# Altium PCB KeyBoard.PcbDoc (continued)
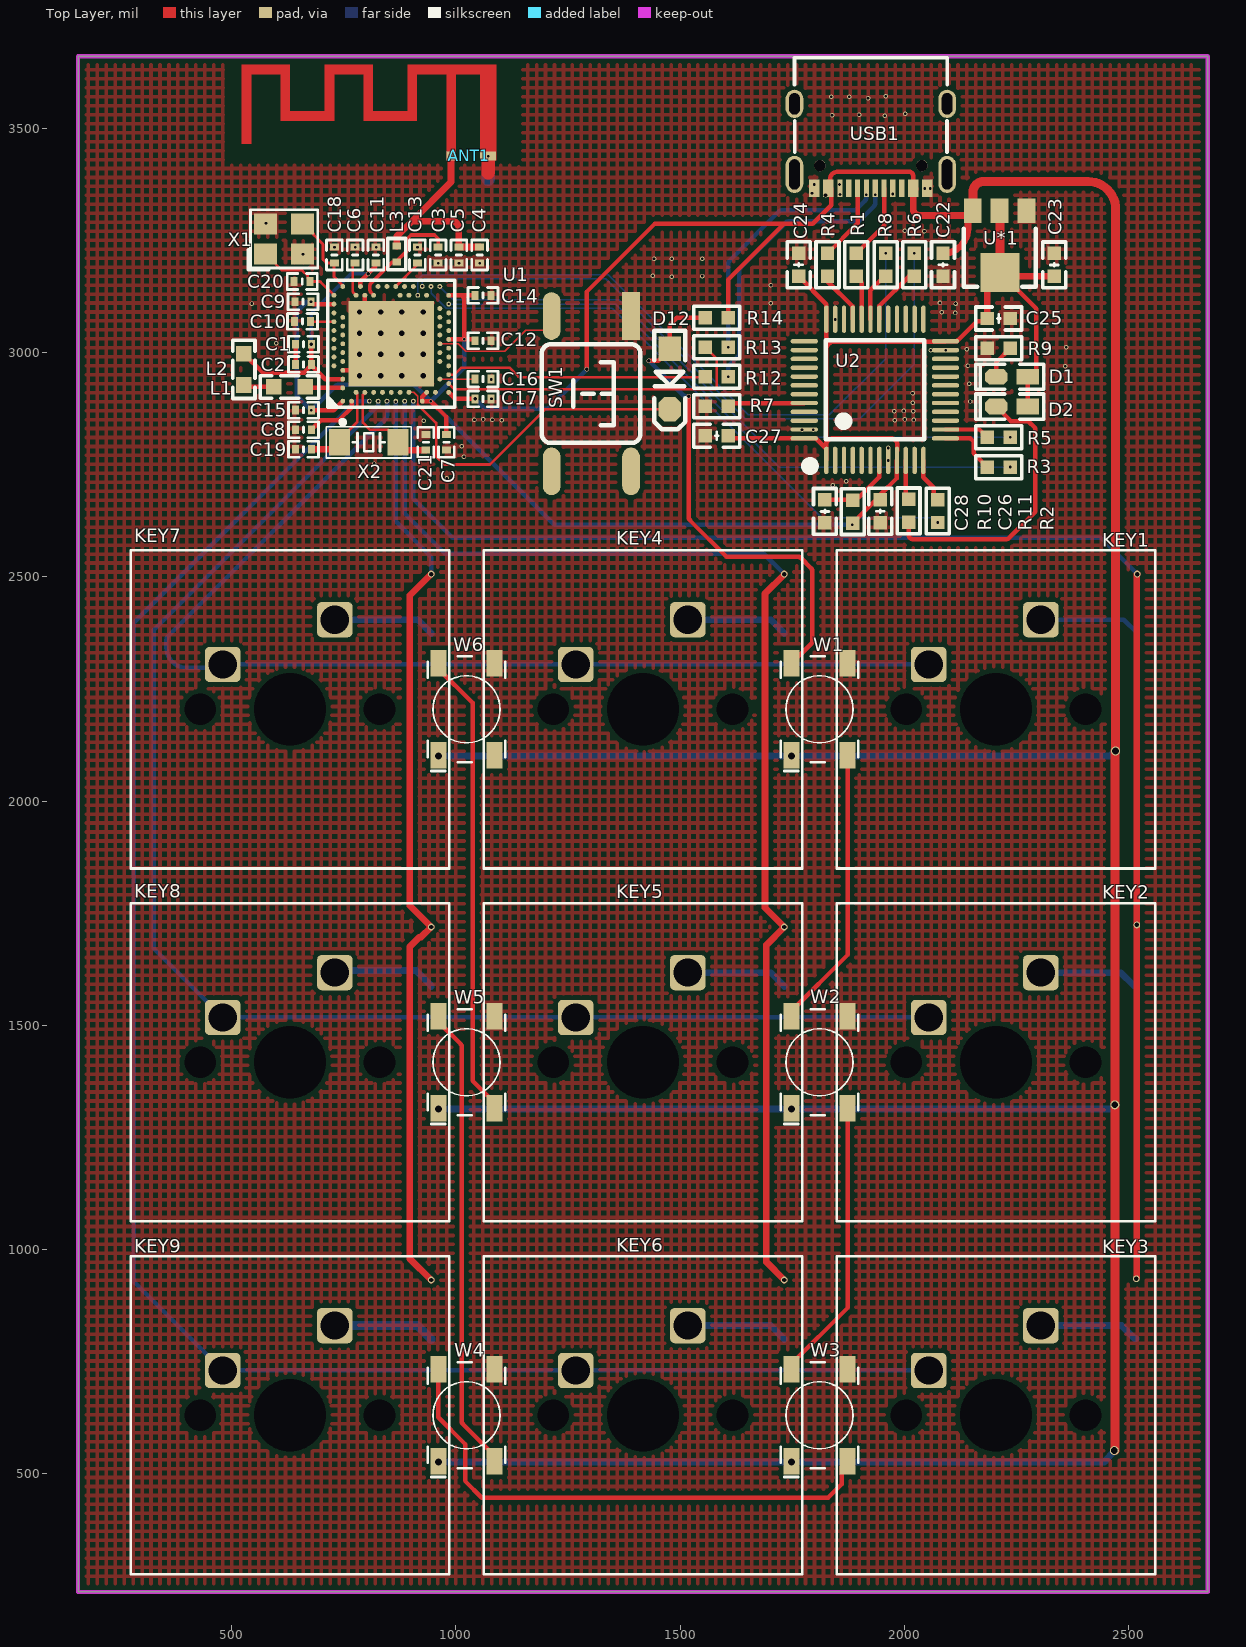
[diagram p0: Top Layer view]
## Footprints (in the part's own frame and the unit in brackets; to place one, negate y for a bottom-side part, rotate by r counter-clockwise, add the part's x,y. Pads: shape width x height; smd on the part's side, far side on the other; paste and mask are expansions set on the pad) (continued)
  silkscreen extent -2.79,-2.79 2.79,2.79, body extent -4.5,-3 4.5,3, height 4.95
"usb typec" [mm]
  round 0.65 hole 0.65: 0(-2.299,-2.905) 0(-2.299,2.875)
  oval 1.6x1 hole 0.6 slot 1.2 at 0 deg: 1(1.201,4.31) 2(1.201,-4.34)
  oval 2.1x1 hole 0.6 slot 1.7 at 0 deg: 3(-2.799,-4.34) 4(-2.799,4.31)
  rect 1x0.3 smd: A1(-3.589,-3.365) A4(-3.589,-2.565) A5(-3.589,-1.265) A6(-3.589,-0.265) A7(-3.589,0.235) A8(-3.589,1.235) A9(-3.589,2.535) A12(-3.589,3.335) B1(-3.589,3.035) B4(-3.589,2.235) B5(-3.589,1.735) B6(-3.589,0.735) B7(-3.589,-0.765) B8(-3.589,-1.765) B9(-3.589,-2.265) B12(-3.589,-3.065)
  silkscreen extent -1.54,-4.34 3.8,4.31

## Part data
C1 C7: library part C0603-1µ0, "Capacitor, X7R, ±10%", Footprint Doc=0603, LatestRevisionDate=2013-06-05, Note=16V, Part Number=C0603-1µ0, Pin Count=2, Published=2009-05-08, Publisher="Nordic Semiconductor"
C2: library part C0402-47n, "Capacitor, X7R, ±10%", Footprint Doc=0402, LatestRevisionDate=2009-05-08, Note="Chip Cap 10%", Part Number=C0402-47n, Pin Count=2, Published=2009-05-08, Publisher="Nordic Semiconductor"
C3: library part C0402-0.8p, "Capacitor, NP0, ±10%", Footprint Doc=0402, LatestRevisionDate=2012-11-21, Note=50V, Part Number=C0402-0.8p, Pin Count=2, Published=2009-05-08, Publisher="Nordic Semiconductor"
C4: library part C0402-0.5p, "Capacitor, NP0, ±10%", Footprint Doc=0402, LatestRevisionDate=2017-02-23, Note=50V, Part Number=C0402-0.5p, Pin Count=2, Published=2009-05-08, Publisher="Nordic Semiconductor"
C5 C10 C11: library part C0402-N.C., "Not mounted", Assembly="Not mounted", Footprint Doc=0402, LatestRevisionDate=2009-05-08, Part Number=C0402-N.C., Pin Count=2, Published=2009-05-08, Publisher="Nordic Semiconductor"
  C5: Note="Chip Cap"
C6: library part C0402-100p, "Capacitor, NP0, ±5%", Footprint Doc=0402, LatestRevisionDate=2009-05-08, Note=50V, Part Number=C0402-100p, Pin Count=2, Published=2009-05-08, Publisher="Nordic Semiconductor"
C8 C9 C12 C14: library part C0402-100n, "Capacitor, X7R, ±10%", Footprint Doc=0402, LatestRevisionDate=2009-11-23, Note=16V, Part Number=C0402-100n, Pin Count=2, Published=2009-05-08, Publisher="Nordic Semiconductor"
C13: library part C0402-820p, "Capacitor, NP0, ±5%", Footprint Doc=0402, LatestRevisionDate=2009-05-08, Note=50V, Part Number=C0402-820p, Pin Count=2, Published=2009-05-08, Publisher="Nordic Semiconductor"
C15 C16: library part C0603-4µ7-6.3V-X7R, "Capacitor, X7R, ±10%", Footprint Doc=0603, LatestRevisionDate=2015-06-10, Note=6.3V, Part Number=C0603-4µ7-6.3V-X7R, Pin Count=2, Published=2015-06-10, Publisher="Nordic Semiconductor"
C17: library part C0603-4µ7-10V-X7S, "Capacitor, X7S, ±10%", Footprint Doc=0603, LatestRevisionDate=2016-08-15, Note=10V, Part Number=C0603-4µ7-10V-X7S, Pin Count=2, Published=2016-08-15, Publisher="Nordic Semiconductor"
C18 C19 C20 C21: library part C0402-12p, "Capacitor, NP0, ±2%", Footprint Doc=0402, LatestRevisionDate=2011-05-11, Note=50V, Part Number=C0402-12p, Pin Count=2, Published=2009-05-08, Publisher="Nordic Semiconductor"
C22 C23 C24 C25 C26 C27 C28: "Capacitor, NP0, ?.1pF", Part Number=C0402-1.2p, Artikkelnr Noca=20029157, Artikkelnr Simpro=N.A., Footprint Doc=0402, LatestRevisionDate=2011-05-11, Note=50V, Pin Count=2, Published=2009-05-08, Publisher="Nordic Semiconductor"
D1 D2: "LED"
D3 D4 D5 D6 D7 D8 D9 D10 D11 D12: library part ZENER3, "Zener Diode"
L1: library part L0603-10µ, "Chip inductor, IDC,min = 50 mA, ±20%", Footprint Doc=0603, LatestRevisionDate=2012-09-19, Part Number=L0603-10µ, Pin Count=2, Published=2010-02-24, Publisher="Nordic Semiconductor"
L2: library part L0402-15n, "High frequency chip inductor ±10%", Footprint Doc=0402, LatestRevisionDate=2012-09-19, Part Number=L0402-15n, Pin Count=2, Published=2010-07-12, Publisher="Nordic Semiconductor"
L3: library part L0402-4n7, "High frequency chip inductor ±5%", Footprint Doc=0402, LatestRevisionDate=2012-09-19, Note="High frequency chip inductor ±5%", Part Number=L0402-4n7, Pin Count=2, Published=2009-05-08, Publisher="Nordic Semiconductor"
R1 R2 R3 R4 R5 R6 R7 R8 R9 R10 R11 R12 R13 R14: library part RES
SW1: "Tactile Switch, SPNO, SMD, 160gf, 6.2x6.3x2.5mm", 2nd source part number=688-SKHUALE010, Manufacturer=Dailywell, Manufacturer Part Number=TS604VM1-025BR-R, Part Number=Switch-PB-6.2x6.3mm-SMD, 2nd source Supplier=Mouser, Artikkelnr Noca=50019106, Artikkelnr Simpro=N.A., Datasheet=\\hizz\pro\app9717\Datasheet\switches\Daliywell\TS604VM1-025BR-R.pdf, Footprint Doc=Switch-PB-6.2x6.3mm-SMD, LatestRevisionDate=2016-04-21, Pin Count=4, Published=2010-02-01, Publisher="Nordic Semiconductor", Supplier=Cabcon, Supplier part number=TS604VM1-025BR-R
U1: library part nRF52840-QIAAD0, "Multi-protocol Bluetooth Low Energy, IEEE 802.15.4, ANT and 2.4GHz proprietary system-on-chip", Manufacturer="Nordic Semiconductor", Footprint Doc=AQFN-73, LatestRevisionDate=2018-12-04, Manufacturer Part Number=nRF52840-QIAAD0, Part Number=nRF52840-QIAAD0, Pin Count=73, Published=2018-12-04, Publisher="Nordic Semiconductor"
U2: "Imported", Manufacturer_Part_Number=stm32f072cxt, C="Copyright (C) 2016 Accelerated Designs. All rights reserved", Copyright="Copyright (C) 2016 Accelerated Designs. All rights reserved", RefDes=RefDes, Type=Type, Vendor=STMicroelectronics
U*1: "三端可调或固定电压3.3V"
W1 W2 W3 W4 W5 W6: library part WS2812b_Sumasta, "The Infamous Chinese Chainable RGB LED"
X1: library part XTAL_SMD2016_32MHz_8pF_General, "XTAL SMD 2016, 32MHz, Cl=8pF, Total Tol: ±40ppm", Footprint Doc=XTAL_2016, LatestRevisionDate=2016-08-19, Part Number=XTAL_SMD2016_32MHz_8pF_General, Pin Count=4, Published=2016-08-19, Publisher="Nordic Semiconductor"
X2: library part XTAL_SMD3215_32.768kHz_9pF_General, "XTAL SMD 3215, 32.768kHz, Cl=9pF, Total Tol: ±50ppm", Footprint Doc=XTAL_3215, LatestRevisionDate=2016-08-19, Part Number=XTAL_SMD3215_32.768kHz_9pF_General, Pin Count=2, Published=2016-08-19, Publisher="Nordic Semiconductor"

## Free pads (board coordinates)
  round 15 hole 10: 2(945.04,931.68) 2(945.04,1719.08) 2(945.04,2506.48) 2(1732.44,931.68) 2(1732.44,1719.08) 2(1732.44,2506.48) 2(2517.96,934.43) 2(2519.1,1723.6) 2(2519.85,2506.48)
  round 20 hole 15: 2(961.18,525.59) 2(961.18,1312.99) 2(961.18,2100.4) 2(1748.59,525.59) 2(1748.59,1312.99) 2(1748.59,2100.4) 2(2468.9,551.2) 2(2470.03,1322.38) 2(2471.56,2111.73)

## Via types
v1: diameter 10, hole 6, Top Layer to Bottom Layer, 84 vias
v2: diameter 24, hole 12, Top Layer to Bottom Layer, 16 vias
v3: diameter 8, hole 6, Top Layer to Bottom Layer, 11 vias
v4: diameter 10, hole 8, Top Layer to Bottom Layer, 7 vias
v5: diameter 6, hole 5, Top Layer to Bottom Layer, 5 vias

## Nets (pads, with @x,y where several pads share a name; then routed paths per layer and width w, separated by ;. In a path a pad name is that pad's centre, name@x,y a point inside that pad or via, vN(x,y) a via of type N, cw(c..) or ccw(c..) an arc to the next point about the centre after c; other vN are vias at no path point)
3.3V: C7.1 C9.1 C12.1 C14.1 C15.1 C23.2 C24.2 C25.2 C26.2 C27.2 D1.1 D2.1 R10.2 U1.A22 U1.AD14 U1.AD23 U1.B1 U1.W1 U1.Y2 U2.1 U2.9 U2.24 U2.36 U2.48 U*1.2 | length 4434.3
  Top Layer w3: C26.2@1934.45,2669.27 cw(c1936.58,2667.15) C26.2@1936.58,2670.15 ; C26.2@1943.62,2670.15 ccw(c1943.62,2673.15) C26.2@1945.73,2671.02 ; U*1.2@2213.06,3316.8 cw(c2213.06,3315.85) U*1.2@2214,3315.85 ; D1.1 2278.3,2946.28 D1.1@2294.3,2962.28
  Top Layer w10: v3(676.72,3114) 682.13,3108.58 U1.A22 ; v3(677.72,2872) 727.68,2872 U1.B1 ; U1.Y2 924.97,2901.96 924.97,2892.12 U1.W1 v3(943.75,2892.05) 979,2856.8 C7.1 ; U1.AD14 v3(1018.82,3029.84) ; U1.AD23 1012.35,3128.27 ; 1011.98,3127.89 1012.35,3128.27 ; C14.1@1040.65,3125.97 C14.1 ; C14.1@1040.75,3128.27 1012.35,3128.27 ; C12.1 1039.74,3029.84 v3(1018.82,3029.84) ; C27.2 1613.45,2809.18 U2.48 1802.84,2809.18 U2.1@1826.45,2785.57 ; C24.2 1826.45,3108.54 U2.36 1826.41,3074.3 ccw(c1836.4,3073.92) 1826.4,3073.92 1826.4,3035.1 ccw(c1836.4,3035.1) 1836.4,3025.1 1844.8,3025.1 ; U2.1 U2.1@1826.45,2785.57 ; R10.2 C26.2@1934.45,2669.27 ; C26.2@1936.58,2670.15 C26.2@1943.62,2670.15 ; C26.2@1945.74,2671.03 C26.2 1946.6,2682.06 cw(c1949.6,2682.06) 1947.49,2684.2 1983.04,2719.74 ccw(c1980.93,2721.87) 1983.93,2721.87 U2.9 ; U2.9 ccw(c1973.93,2760.25) 1983.93,2760.06 1984,2762.97 ccw(c1974,2763.23) 1984,2763.15 1984.39,2795.79 ccw(c1974.39,2795.95) 1984.39,2795.91 ccw(c1971.1,2795.91) 1971.1,2809.2 1840.4,2809.2 ccw(c1840.4,2795.25) 1826.45,2795.25 ; C25.2 2182.29,3073.33 cw(c2175.22,3080.4) 2175.22,3070.4 2166.6,3070.4 ccw(c2166.6,3060.4) 2159.52,3067.46 2120.72,3028.66 cw(c2113.63,3035.71) 2113.63,3025.71 U2.24 2092.18,3025.1 1844.8,3025.1 ; U*1.2@2185.41,3150.41 2214,3179 2294.3,3098.7 D1.1@2294.3,2962.28 ; D2.1 D1.1 ; 1012.35,3128.27 1018.82,3121.8 v3(1018.82,3029.84) ; U2.1@1826.45,2785.57 1826.45,2795.25 ; 1826.45,2795.25 1826.45,3006.75 cw(c1844.8,3006.75) 1844.8,3025.1
  Top Layer w15: C25.2 U*1.2@2185.41,3150.41 ; U*1.2@2228.41,3170.8 2331.61,3170.8 cw(c2331.61,3155.8) 2333.98,3170.61 C23.2 C23.2
  Top Layer w20: U*1.2@2214,3179 U*1.2@2214,3315.85
  Bottom Layer w10: v3(676.72,3114) 667.6,3114 644.9,3091.3 644.9,2904.82 v3(677.72,2872) 731.09,2925.37 cw(c738.16,2918.3) 738.2,2928.3 903.31,2928.3 cw(c903.36,2918.3) 910.42,2925.38 ; 910.43,2925.37 v3(943.75,2892.05) ; v3(1018.82,3029.84) 1018.82,2967.12 v3(943.75,2892.05) ; v3(1884.2,2616.4) 1219.4,2616.4 v3(943.75,2892.05)
5V: C17.1 C22.2 pad.2@961.18,525.59 pad.2@961.18,1312.99 pad.2@961.18,2100.4 pad.2@1748.59,525.59 pad.2@1748.59,1312.99 pad.2@1748.59,2100.4 pad.2@2468.9,551.2 pad.2@2470.03,1322.38 pad.2@2471.56,2111.73 R14.1 U1.AD2 U*1.3 USB1.A4 USB1.A9 USB1.B4 USB1.B9 W1.1 W2.1 W3.1 W4.1 W5.1 W6.1 | length 9745.7
  Top Layer w3: USB1.B9 USB1.B9@2014.82,3366.07 ; USB1.B9@2014.84,3366.05 ccw(c2016.94,3368.19) 2016.94,3365.19 2023.23,3365.19 ccw(c2023.23,3368.19) 2025.35,3366.07 USB1.A4 ; U*1.3@2142.26,3306 ccw(c2142.26,3316.8) U*1.3
  Top Layer w10: U1.AD2 995.76,2899.93 ccw(c1002.83,2907) 1002.83,2897 v4(1042.88,2897) ; v4(1292.4,2962.9) 1292.4,3136.6 1444.1,3288.3 1732.3,3288.3 ; R14.1 1607.63,3163.63 1732.3,3288.3 ; USB1.B4@1832.2,3361.89 cw(c1837.02,3361.89) USB1.B4 1837.02,3329.96 cw(c1834.02,3329.96) 1836.13,3327.83 1797.48,3289.18 cw(c1795.36,3291.3) 1795.36,3288.3 1732.3,3288.3 ; USB1.B4@1834.21,3382.97 cw(c1856.13,3384.5) 1836.7,3394.77 cw(c1851.92,3386.66) 1851.92,3403.9 2010.13,3403.9 cw(c2010.09,3393.9) 2020.09,3393.9 ; 2020.09,3393.86 2020.09,3376.76 ccw(c2030.09,3376.76) 2023.02,3369.69 USB1.A4
  Top Layer w15: USB1.A4@2024.48,3365.2 ccw(c2035.09,3354.59) 2020.09,3354.59 2020.09,3321 ccw(c2035.09,3321) 2035.09,3306 2142.26,3306 2142.26,3277.27 cw(c2086.61,3277.27) C22.2
  Top Layer w20: U*1.3 2153.05,3357.24 cw(c2177.93,3357.24) 2163.5,3377.5 cw(c2177.54,3357.85) 2177.54,3382 2410.3,3382 cw(c2410.3,3320.4) 2471.9,3320.25 2471.9,3320.11 2471.9,2115.44 cw(c2451.9,2115.4) pad.2@2471.56,2111.73 ; pad.2@2470.6,551.2 pad.2@2470.6,2111.73
  Bottom Layer w10: v4(1042.88,2897) 1062.25,2877.63 ccw(c1069.33,2884.7) 1069.33,2874.7 1200.06,2874.7 ccw(c1200.06,2884.7) 1207.13,2877.63 v4(1292.4,2962.9)
  Bottom Layer w15: pad.2@961.18,525.59 1748.59,525.59 2446.5,525.59 pad.2@2468.9,551.2 ; pad.2@961.18,1312.99 1748.59,1312.99 2462.17,1312.99 2467.51,1318.33 pad.2@2470.03,1322.38 ; pad.2@961.18,2100.4 1748.59,2100.4 2458.87,2100.4 2470.21,2111.73 pad.2@2471.56,2111.73
  other v4: 1824.56,3351.52
ANT: C3.2 L3.1 U1.H23 | length 263.2
  Top Layer w8: U1.H23 811.1,3133.8 cw(c818.17,3140.87) 808.17,3140.87 808.17,3148.73 cw(c818.17,3148.73) 811.1,3155.8 857.58,3202.28 L3.1 869.45,3203.74 ccw(c865.21,3207.98) 870.52,3205.19 871.85,3207.72 cw(c877.16,3204.93) 872.93,3209.18 890.93,3227.18 ccw(c886.7,3231.44) 892.7,3231.44 892.7,3255.6 899.02,3261.92 cw(c901.14,3259.8) 901.14,3262.8 951.06,3262.8 cw(c951.06,3259.8) 953.17,3261.93 ; 953.18,3261.92 960.43,3254.67 C3.2
DCC: L1.2 U1.B3 | length 84.7
  Top Layer w3: L1.2 L1.2@666.43,2921.57
  Top Layer w10: L1.2@666.43,2921.57 U1.B3
DEC1: C8.1 U1.C1 | length 124.6
  Top Layer w10: C8.1 677.72,2828.65 cw(c680.72,2828.65) 679.81,2831.51 680.69,2831.8 ccw(c679.77,2834.65) 681.89,2832.53 697.48,2848.12 cw(c699.6,2846) 699.57,2849 ; 699.6,2849 738.3,2849 767.42,2878.12 U1.C1
DEC2: C10.1 U1.A18 | length 52.7
  Top Layer w3: C10.1 C10.1@676.5,3069.21
  Top Layer w6: C10.1@676.5,3069.21 U1.A18
DEC3: C6.2 U1.D23 | length 76.8
  Top Layer w6: C6.2 771.66,3196.66 ccw(c775.9,3192.41) 769.9,3192.41 769.9,3138.11 ccw(c775.9,3138.11) 771.66,3133.87 774.67,3130.86 U1.D23
DEC4_6: C1.2 C2.1 C11.1 L2.1 U1.B5 U1.E24 | length 602.7
  Top Layer w10: L2.1 569.2,2955.8 661.48,2955.8 C2.1@677.72,2972.03 ; v4(677.63,3019.08) 677.63,2974.08 C2.1 C2.1@677.72,2972.03 ; U1.B5 708.49,2941.26 C2.1@677.72,2972.03 ; U1.E24 787.1,3155.36 cw(c797.1,3155.36) 790.03,3162.43 v4(804.33,3176.73) 818.62,3191.02 ccw(c811.57,3198.11) 821.57,3198.11 C11.1
  Bottom Layer w8: v4(677.63,3019.08) 677.63,3086.89 cw(c680.63,3086.89) 678.52,3089.02 765.35,3175.85 cw(c767.47,3173.72) 767.43,3176.73 v4(804.33,3176.73)
DEC5: C13.1 U1.N24 | length 72.1
  Top Layer w6: U1.N24 912.39,3194.5 ccw(c908.14,3198.74) 914.14,3198.74 C13.1
DECUSB: C16.1 U1.AC5 | length 78.6
  Top Layer w3: U1.AC5 1042.84,2941.26 C16.1
GND: ANT1.2 C3.1 C4.1 C5.2 C6.1 C7.2 C8.2 C9.2 C10.2 C11.2 C12.2 C13.2 C14.2 C15.2 C16.2 C17.2 C18.2 C19.2 C20.2 C21.2 C22.1 C23.1 C24.1 C25.1 C26.1 C27.1 C28.1 R7.2 R9.1 SW1.1 U1.74 U1.B7 U1.F23 U2.8 U2.23 U2.35 U2.47 U*1.1 USB1.A1 USB1.A5 USB1.A12 USB1.B1 USB1.B5 USB1.B12 W1.3 W2.3 W3.3 W4.3 W5.3 W6.3 X1.2 X1.4 | length 353.8
  Top Layer w3: U1.74@796.94,2960.94 U1.74 v2(832.38,3043.62) U1.74@796.94,3079.06
  Top Layer w10: U1.B7 U1.74@796.94,2960.94 ; U1.74@796.94,3079.06 U1.F23
  Top Layer w30: 1072.13,3401.97 v1(1072.13,3438.53)
  Bottom Layer w30: 1072.13,3386.73 v1(1072.13,3438.53)
  other v1: 1840.35,2704.53 1870.85,2713.63 979.75,2719.73 818.05,2752.93 1964.7,2759.51 1017.95,2767.73 1964.75,2787.73 1013.25,2791.23 1772.15,2828.63 1797.25,2828.63 928.45,2848.13 1102.55,2849.63 1979.05,2849.83 2021.45,2850.23 1041.35,2850.53 1061.05,2851.33 1081.55,2850.93 2001.55,2851.33 1977.95,2869.83 1999.05,2870.23 2020.05,2869.53 2019.35,2888.43 2147.45,2891.33 1079.65,2897.53 2018.65,2909.83 2145.05,2931.13 1079.25,2940.43 2359.25,2970.23 2142.35,2970.93 2059.45,3005.53 2092.63,3005.56 2139.75,3008.13 2361.35,3012.43 599.15,3021.53 1846.59,3074.44 2114.25,3088.93 2083.75,3090.13 544.35,3109.73 2114.65,3109.83 1702.15,3110.63 2079.75,3111.23 1702.75,3150.53 1481.45,3169.33 1549.55,3171.13 1439.15,3171.73 960.88,3199.81 1007.17,3199.82 1053.45,3199.81 1442.05,3209.83 1481.45,3209.83 1549.55,3209.83 658.79,3220.06 729.46,3235.24 775.75,3235.25 822.53,3235.32 914.6,3235.24 2045.15,3270.93 2001.45,3272.53 576.65,3289.03 1856.8,3353.1 1974.8,3354 1794.55,3355.83 2046.13,3366.24 2057.94,3366.24 1799.15,3375.53 1855.95,3375.53 1956.55,3528.63 1839.05,3530.13 1899.35,3530.93 2002.15,3533.23 1919.45,3568.03 1837.45,3571.13 1877.65,3571.13 1958.85,3571.93
  other v2: 785.13,2949.13 832.38,2949.13 879.62,2949.13 926.87,2949.13 785.13,2996.38 832.38,2996.38 879.62,2996.38 926.87,2996.38 785.13,3043.62 879.62,3043.62 926.87,3043.62 785.13,3090.87 832.38,3090.87 879.62,3090.87 926.87,3090.87
LED: R11.1 U2.10 | length 89.8
  Top Layer w10: U2.10 2003.61,2678.97 R11.1
NetC1_1: C1.1 C2.2 | length 45.1
  Top Layer w3: C1.1 C1.1@642.29,3019
  Top Layer w10: C2.2 C1.1@642.29,3019
NetD1_2: D1.2 R9.2 | length 76.6
  Top Layer w10: D1.2 2205.82,2979.39 R9.2
NetD2_2: D2.2 R11.2 | length 633.2
  Top Layer w10: R11.2 2009.8,2594.3 ccw(c2019.8,2594.3) 2019.8,2584.3 2227.46,2584.3 ccw(c2227.46,2594.3) 2234.53,2587.23 2292.2,2644.9 2292.2,2832 2278.18,2846.02 ccw(c2276.06,2843.9) 2276.06,2846.9 2240.15,2846.9 cw(c2240.15,2849.9) 2238.03,2847.78 D2.2
NetD3_2: D3.2 KEY1.2 | length 228.7
  Bottom Layer w10: KEY1.2 2489.75,2404.72 2519.69,2374.79 D3.2
NetD4_2: D4.2 KEY2.2 | length 222.4
  Bottom Layer w15: KEY2.2 2483.01,1617.32 2512.13,1588.2 2515.1,1588.2
NetD5_2: D5.2 KEY3.2 | length 224.9
  Bottom Layer w15: KEY3.2 2485.11,829.92 2513.63,801.4 2517.8,801.4
NetD6_2: D6.2 KEY4.2 | length 228.7
  Bottom Layer w15: KEY4.2 1702.35,2404.72 1732.28,2374.79 D6.2
NetD7_2: D7.2 KEY5.2 | length 228.7
  Bottom Layer w15: KEY5.2 1702.35,1617.32 1732.28,1587.39 D7.2
NetD8_2: D8.2 KEY6.2 | length 228.7
  Bottom Layer w15: KEY6.2 1702.35,829.92 1732.28,799.99 D8.2
NetD9_2: D9.2 KEY7.2 | length 228.7
  Bottom Layer w15: KEY7.2 914.95,2404.72 944.88,2374.79 D9.2
NetD10_2: D10.2 KEY8.2 | length 235.1
  Bottom Layer w15: KEY8.2 736.8,1624.2 738.9,1622.1 911.33,1622.1 944.88,1588.54 D10.2
NetD11_2: D11.2 KEY9.2 | length 228.7
  Bottom Layer w20: KEY9.2 914.95,829.92 944.88,799.99 D11.2
NetD12_1: D12.1 R14.2 W1.4 | length 1143.1
  Top Layer w10: v4(1430.4,2982.3) 1451.9,2982.3 1477.2,3007.6 D12.1 1477.2,3062.3 1492.9,3078 R14.2 ; v4(1519.5,2903.4) 1519.5,2633.04 ccw(c1529.5,2633.04) 1522.43,2625.97 1603,2545.4 1761.96,2545.4 cw(c1761.96,2535.4) 1769.05,2542.45 1792.55,2518.95 cw(c1785.5,2511.86) 1795.5,2511.91 1795.5,2511.86 1795.5,2358.3 cw(c1785.5,2358.3) 1792.57,2351.23 W1.4
  Bottom Layer w10: v4(1430.4,2982.3) ccw(c1438.23,2988.52) 1431.12,2981.49 1506.29,2906.31 ccw(c1513.35,2913.4) 1513.35,2903.4 v4(1519.5,2903.4)
NetL1_1: L1.1 L2.2 | length 68.7
  Top Layer w6: L2.2 L2.2@531,2924
  Top Layer w10: L2.2@531,2924 L1.1
NetR1_1: R1.1 USB1.B7 | length 170.7
  Top Layer w10: R1.1 1955.13,3283.39 USB1.B7
NetR2_2: R2.2 U2.12 | length 100.2
  Top Layer w10: U2.12 2042.98,2723.17 ccw(c2045.98,2723.17) 2043.86,2721.05 2065.04,2699.88 cw(c2062.92,2697.75) 2065.92,2697.75 2065.92,2682.8 ccw(c2068.92,2682.8) 2066.8,2680.68 R2.2
NetR3_2: R3.2 U2.13 | length 135.2
  Top Layer w10: U2.13 2147.52,2809.18 2154.7,2802 2154.7,2775.72 R3.2
NetR4_1: R4.1 USB1.B6 | length 172.9
  Top Layer w10: R4.1 1896.07,3288.74 USB1.B6
NetR5_2: R5.2 U2.14 | length 100.5
  Top Layer w10: U2.14 2167.84,2828.86 R5.2
NetR6_2: R6.2 U2.30 | length 134.9
  Top Layer w10: U2.30 1944.56,3103.32 cw(c1947.56,3103.32) 1945.45,3105.45 2009.93,3169.93 cw(c2012.06,3167.81) 2012.06,3170.81 R6.2
NetR7_1: R7.1 U2.44 | length 172.6
  Top Layer w3: R7.1 R7.1@1614.79,2887.92
  Top Layer w10: R7.1@1614.79,2887.92 U2.44
NetR8_2: R8.2 U2.31 | length 111.1
  Top Layer w10: U2.31 1924.87,3138.15 cw(c1927.87,3138.15) 1925.75,3140.27 1955.72,3170.23 cw(c1957.84,3168.11) R8.2@1957.81,3171.11 ; R8.2@1957.84,3171.11 R8.2
NetR12_2: R12.2 USB1.A6 | length 633.7
  Bottom Layer w10: v1(1607.63,2946.5) 1607.63,2970.63 1629.47,2992.47 ccw(c1622.4,2999.54) 1632.4,2999.54 1632.4,3182.96 cw(c1642.4,3182.96) 1635.33,3190.03 1735.55,3290.25 cw(c1742.64,3283.2) 1742.64,3293.2 1894.7,3293.2 ccw(c1894.66,3303.2) 1901.73,3296.13 1932.57,3326.97 ccw(c1925.5,3334.04) 1935.5,3334.04 v1(1935.5,3352.6)
NetR13_2: R13.2 USB1.A7 | length 564.8
  Bottom Layer w10: v1(1607.63,3012.25) cw(c1617.6,3012.96) 1607.6,3012.96 1607.6,3198.26 cw(c1617.6,3198.26) 1610.53,3205.33 1719.87,3314.67 cw(c1726.94,3307.6) 1726.94,3317.6 1886.96,3317.6 ccw(c1886.96,3327.6) 1894.03,3320.53 1912.66,3339.16 ccw(c1905.56,3346.26) 1915.6,3346.22 v1(1915.6,3352.6)
NRF_D+: R12.1 U1.AD6 | length 587.9
  Top Layer w6: U1.AD6 997,2951.1 1012.6,2966.7 1119.5,2966.7 1139.24,2946.96 ccw(c1143.49,2951.2) 1143.49,2945.2 1552.71,2945.2 ccw(c1552.71,2951.2) 1556.31,2946.4 R12.1
NRF_D-: R13.1 U1.AD4 | length 704.8
  Top Layer w6: U1.AD4 995.11,2920.26 ; 995.14,2920.23 ccw(c999.36,2924.5) 999.36,2918.5 1576.1,2918.5 ccw(c1576.1,2924.5) 1582.1,2924.5 1582.1,2984.11 ccw(c1576.1,2984.11) 1580.34,2988.35 R13.1
OB_RX: R8.1 U1.V23 | length 1499.5
  Bottom Layer w3: v5(915.09,3128.07) 915.09,3163.09 925.75,3173.75 1340.15,3173.75 1652.3,2861.6 1833.3,2861.6 1958.6,2986.9 v1(1958.6,3222.29)
OB_TX: R6.1 U1.W24 | length 1538.3
  Bottom Layer w3: v5(925.09,3148.17) 925.09,3158.24 cw(c928.09,3158.24) 925.96,3160.37 930.21,3164.61 cw(c932.34,3162.5) 932.34,3165.5 1331.86,3165.5 cw(c1331.86,3162.5) 1333.99,3164.61 1645.32,2853.28 ; 1645.34,2853.26 ccw(c1647.44,2855.4) 1647.44,2852.4 1899.06,2852.4 ccw(c1899.06,2855.4) 1901.18,2853.28 2022.6,2974.7 v1(2022.6,3221.99)
P0.02/AIN0: 
P0.03/AIN1: 
P0.04: KEY2.1 KEY5.1 KEY8.1 U1.J1 | length 3220.6
  Bottom Layer w10: v3(826.94,2891.93) 826.94,2882.54 326.1,2381.7 326.1,1671.14 KEY8.1 KEY5.1 KEY2.1
P0.05: 
P0.06: KEY1.1 KEY4.1 KEY7.1 U1.L1 | length 2481
  Bottom Layer w10: v3(846.44,2891.53) 846.44,2860.19 cw(c836.44,2860.19) 843.52,2853.12 357.33,2366.93 ccw(c364.4,2359.86) 354.4,2359.86 354.4,2342.3 ccw(c399.3,2342.3) 399.3,2297.4 471.35,2297.4 ccw(c471.35,2300.4) 473.48,2298.28 KEY7.1 KEY4.1 KEY1.1
P0.07: 
P0.08: D9.1 D10.1 D11.1 pad.2@945.04,931.68 pad.2@945.04,1719.08 pad.2@945.04,2506.48 U1.N1 | length 2072.9
  Top Layer w15: pad.2@945.04,931.68 896.9,979.82 896.9,1674.8 918.56,1696.46 922.43,1696.46 945.04,1719.08 897.22,1766.9 897.22,2458.66 pad.2@945.04,2506.48
  Bottom Layer w10: v3(866.14,2891.03) 866.14,2627.8 ccw(c876.14,2627.8) 869.07,2620.73 942.08,2547.72 cw(c935.04,2540.62) 945.04,2540.62 pad.2@945.04,2506.48
P0.09: 
P0.10: 
P0.12: D3.1 D4.1 D5.1 pad.2@2517.96,934.43 pad.2@2519.1,1723.6 pad.2@2519.85,2506.48 U1.U1 | length 3474.8
  Top Layer w15: pad.2@2517.96,934.43 2518.9,935.38 2518.9,2505.54 pad.2@2519.85,2506.48
  Bottom Layer w10: v3(904.94,2892.03) 904.94,2674.66 991.8,2587.8 2438.52,2587.8 pad.2@2519.85,2506.48
P0.13: 
P0.14: 
P0.15: 
P0.16: 
P0.17: 
P0.19: 
P0.20: 
P0.21: 
P0.22: 
P0.23: 
P0.24: 
P0.25: 
P0.26: KEY3.1 KEY6.1 KEY9.1 U1.G1 | length 4054.5
  Bottom Layer w10: v3(807.34,2892.23) 780.37,2892.23 780.31,2892.23 ccw(c780.37,2882.23) 773.28,2889.28 283.93,2399.93 ccw(c291,2392.86) 281,2392.86 281,932.98 ccw(c291,932.98) 283.93,925.91 KEY9.1 KEY6.1 KEY3.1
P0.27: 
P0.28/AIN4: 
P0.29/AIN5: 
P0.30/AIN6: 
P0.31/AIN7: 
P1.01: 
P1.04: 
P1.05: 
P1.06: 
P1.07: 
P1.08: 
P1.09: D6.1 D7.1 D8.1 pad.2@1732.44,931.68 pad.2@1732.44,1719.08 pad.2@1732.44,2506.48 U1.R1 | length 2796.2
  Top Layer w15: pad.2@1732.44,931.68 1692.6,971.52 1692.6,1679.23 1732.44,1719.08 1689.6,1761.92 1689.6,2462.9 1732.44,2505.74 pad.2@1732.44,2506.48
  Bottom Layer w10: v3(885.94,2892.03) 885.94,2641.66 975.8,2551.8 1687.12,2551.8 pad.2@1732.44,2506.48
P1.10: 
P1.11: 
P1.12: 
P1.13: 
P1.14: 
P1.15: 
RESET: SW1.2 U1.AC13 | length 298.5
  Top Layer w3: U1.AC13 965.37,3018.9 966.47,3020 1005.4,3020 1021.62,3003.78 ; 1021.64,3003.76 ccw(c1023.74,3005.9) 1023.74,3002.9 1107.06,3002.9 ccw(c1107.06,3005.9) 1109.18,3003.78 1154.58,3049.18 cw(c1156.71,3047.06) 1156.67,3050.06 ; 1156.71,3050.06 1196.73,3050.06 1213.53,3066.86 SW1.2
RF: ANT1.1 C4.2 C5.1 L3.2 | length 454.1
  Top Layer w15: L3.2 868,3259.8 901.7,3293.5 ; ANT1.1 989,3380.8 901.7,3293.5 ; C4.2 C5.1 1006.72,3278.45 ccw(c991.72,3278.5) 991.72,3293.5 901.7,3293.5
RST: C28.2 R10.1 U2.7 | length 179
  Top Layer w3: R10.1@1883.65,2671.69 R10.1@1884.58,2672.62
  Top Layer w10: C28.2 R10.1@1883.65,2671.69 ; R10.1@1884.58,2672.62 1892.58,2672.62 ccw(c1892.58,2675.62) 1894.7,2673.5 1943.67,2722.47 ccw(c1941.56,2724.6) 1944.56,2724.6 U2.7
SWCLK: R2.1 U1.AA24 | length 1356.6
  Bottom Layer w3: v5(944.79,3147.97) 944.79,3132.91 978.6,3099.1 1347.96,3099.1 cw(c1347.96,3096.1) 1350.1,3098.2 1815.02,2633.28 ccw(c1817.14,2635.4) 1817.14,2632.4 2062.66,2632.4 cw(c2062.66,2629.4) 2064.78,2631.52 v1(2074.86,2621.44)
SWDIO: R5.1 U1.AC24 | length 1411.4
  Bottom Layer w3: v5(964.19,3147.77) 992.77,3119.18 ; 992.79,3119.16 ccw(c994.9,3121.3) 994.9,3118.3 1362.16,3118.3 cw(c1362.16,3115.3) 1364.29,3117.41 1669.53,2812.17 ccw(c1671.65,2814.29) 1671.65,2811.29 v1(2236.59,2811.29)
SWO: R3.1 U1.AD22 | length 1403.4
  Bottom Layer w3: v5(983.89,3108.57) 1355.89,3108.57 cw(c1355.89,3105.57) 1358.03,3107.67 1720.32,2745.38 ccw(c1722.44,2747.5) 1722.44,2744.5 2234.93,2744.5 ccw(c2234.93,2747.5) 2236.47,2744.92 v1(2236.59,2745)
USB_DN: R1.2 U2.32 | length 100
  Top Layer w10: R1.2 1902.27,3161.54 1902.31,3161.5 cw(c1895.2,3154.47) 1905.2,3154.42 U2.32
USB_DP: R4.2 U2.33 | length 118.7
  Top Layer w10: R4.2 1828.95,3160.59 ccw(c1831.95,3160.59) 1829.83,3158.47 1884.61,3103.69 cw(c1882.5,3101.55) 1885.5,3101.55 U2.33
W1IN: D12.2 U1.T2 | length 753.8
  Top Layer w3: U1.T2 906.37,2911.73 914.8,2903.3 914.8,2885
  Top Layer w6: 914.8,2885 956.1,2843.7 956.1,2769 974.2,2750.9 1075.7,2750.9 1198.6,2873.8 D12.2
W1OUT: W1.2 W2.4 | length 634.5
  Top Layer w10: W2.4 1748.43,1531.5 1873.62,1656.69 W1.2
W2OUT: W2.2 W3.4 | length 634.5
  Top Layer w10: W3.4 1748.43,744.09 1873.62,869.29 W2.2
W3OUT: W3.2 W4.4 | length 1198.5
  Top Layer w10: W4.4 961.02,625.18 1020.5,565.7 1020.5,483.4 1058,445.9 1830.3,445.9 1860.91,476.51 1860.91,514.84 W3.2
W4OUT: W4.2 W5.4 | length 1043.1
  Top Layer w10: W5.4 961.02,1507.87 1010.17,1458.73 cw(c1003.1,1451.66) 1013.1,1451.66 1013.1,616.63 ccw(c1023.1,616.63) 1016.03,609.56 1086.22,539.37 W4.2
W5OUT: W5.2 W6.4 | length 1044
  Top Layer w10: W6.4 961.02,2295.28 1037.4,2218.9 1037.4,1375.59 1086.22,1326.77 W5.2
XC1: C18.1 U1.B24 X1.3 | length 186.7
  Top Layer w6: X1.3 660.31,3287.46 682.43,3265.34 682.43,3264.62 ccw(c685.43,3264.62) 683.31,3262.5 702.58,3243.22 cw(c700.46,3241.1) 703.46,3241.1 703.46,3209.39 ccw(c706.46,3209.39) 704.34,3207.26 710.44,3201.16 ccw(c712.56,3203.28) 712.56,3200.28 727.96,3200.28 727.96,3170.77 ccw(c730.96,3170.77) 728.84,3168.65 746.84,3150.65 cw(c744.73,3148.51) U1.B24@747.73,3148.54 ; U1.B24 U1.B24@747.73,3148.51
XC2: C20.1 U1.A23 X1.1 | length 194.2
  Top Layer w6: X1.1 611.52,3184.68 ccw(c613.64,3186.8) 613.64,3183.8 656.16,3183.8 cw(c656.16,3180.8) 658.29,3182.91 668.61,3172.59 cw(c666.48,3170.48) 669.48,3170.48 669.48,3167.45 ccw(c672.48,3167.45) 670.36,3165.33 673.83,3161.86 cw(c671.72,3159.73) C20.1@674.72,3159.75 ; C20.1@674.72,3159.73 C20.1 696.16,3159 cw(c696.16,3156) 698.29,3158.11 727.66,3128.74 cw(c725.55,3126.61) U1.A23
XL1: C19.1 U1.D2 X2.2 | length 174.2
  Top Layer w6: X2.2 740.74,2806.11 780,2845.37 780,2907.75 ccw(c777,2907.75) U1.D2@779.13,2909.86 ; U1.D2 U1.D2@779.12,2909.87
  Top Layer w15: C19.1 X2.2@723.1,2784.71
XL2: C21.1 U1.F2 X2.1 | length 238.5
  Top Layer w6: U1.F2 796.94,2910.74 792.6,2906.4 792.6,2844.5 808.87,2828.23 848.54,2828.23 870.66,2806.11 X2.1 X2.1@888.12,2782.74
  Top Layer w15: X2.1@888.12,2782.74 C21.1
pads on no net: KEY1.0 KEY2.0 KEY3.0 KEY4.0 KEY5.0 KEY6.0 KEY7.0 KEY8.0 KEY9.0 SW1.3 SW1.4 U1.A8 U1.A10 U1.A12 U1.A14 U1.A16 U1.A20 U1.AB2 U1.AC9 U1.AC11 U1.AC15 U1.AC17 U1.AC19 U1.AC21 U1.AD8 U1.AD10 U1.AD12 U1.AD16 U1.AD18 U1.AD20 U1.B9 U1.B11 U1.B13 U1.B15 U1.B17 U1.B19 U1.H2 U1.J24 U1.K2 U1.L24 U1.M2 U1.P2 U1.P23 U1.R24 U1.T23 U1.U24 U1.Y23 U2.2 U2.3 U2.4 U2.5 U2.6 U2.11 U2.15 U2.16 U2.17 U2.18 U2.19 U2.20 U2.21 U2.22 U2.25 U2.26 U2.27 U2.28 U2.29 U2.34 U2.37 U2.38 U2.39 U2.40 U2.41 U2.42 U2.43 U2.45 U2.46 USB1.0 USB1.1 USB1.2 USB1.3 USB1.4 USB1.A8 USB1.B8 W6.2
copper on no net: | length 18.3
  Top Layer w10: 1072.13,3401.97 1072.13,3420.25

## Polygon pours and split planes (outlines as drawn)
GND on Bottom Layer "GND_L02_P000" (hatched 90Degree grid 20 track 8, remove dead copper, pour order 0): 83.7,3693.1 102.7,3712.1 2787.9,3712.1 2787.9,170 2806.9,151 2730.8,74.9 102.8,74.9 102.8,3705.7 96.4,3712.1
GND on Top Layer "GND_L01_P001" (hatched 90Degree grid 20 track 8, remove dead copper, pour order 1): 83.7,3693.1 102.7,3712.1 2787.9,3712.1 2787.9,170 2806.9,151 2730.8,74.9 102.8,74.9 102.8,3705.7 96.4,3712.1

## Keep-outs
Keep-Out Layer:
  lines w10: 157.1,235.7 2677.6,235.7 2677.6,3661.6 157.4,3661.6 157.1,3661.3 157.1,235.7

## Silkscreen, mask and mechanical layers (free items; w line width, h text height)
Mechanical 1:
  lines w10: 157.48,236.2 157.48,3661.9 157.6,3661.9 157.6,3662 2677.17,3662 2677.17,236.27 2677.12,236.22 157.7,236.22